# Altium PCB InsaneKeyboard.PcbDoc (part 2 of 4) (continued)
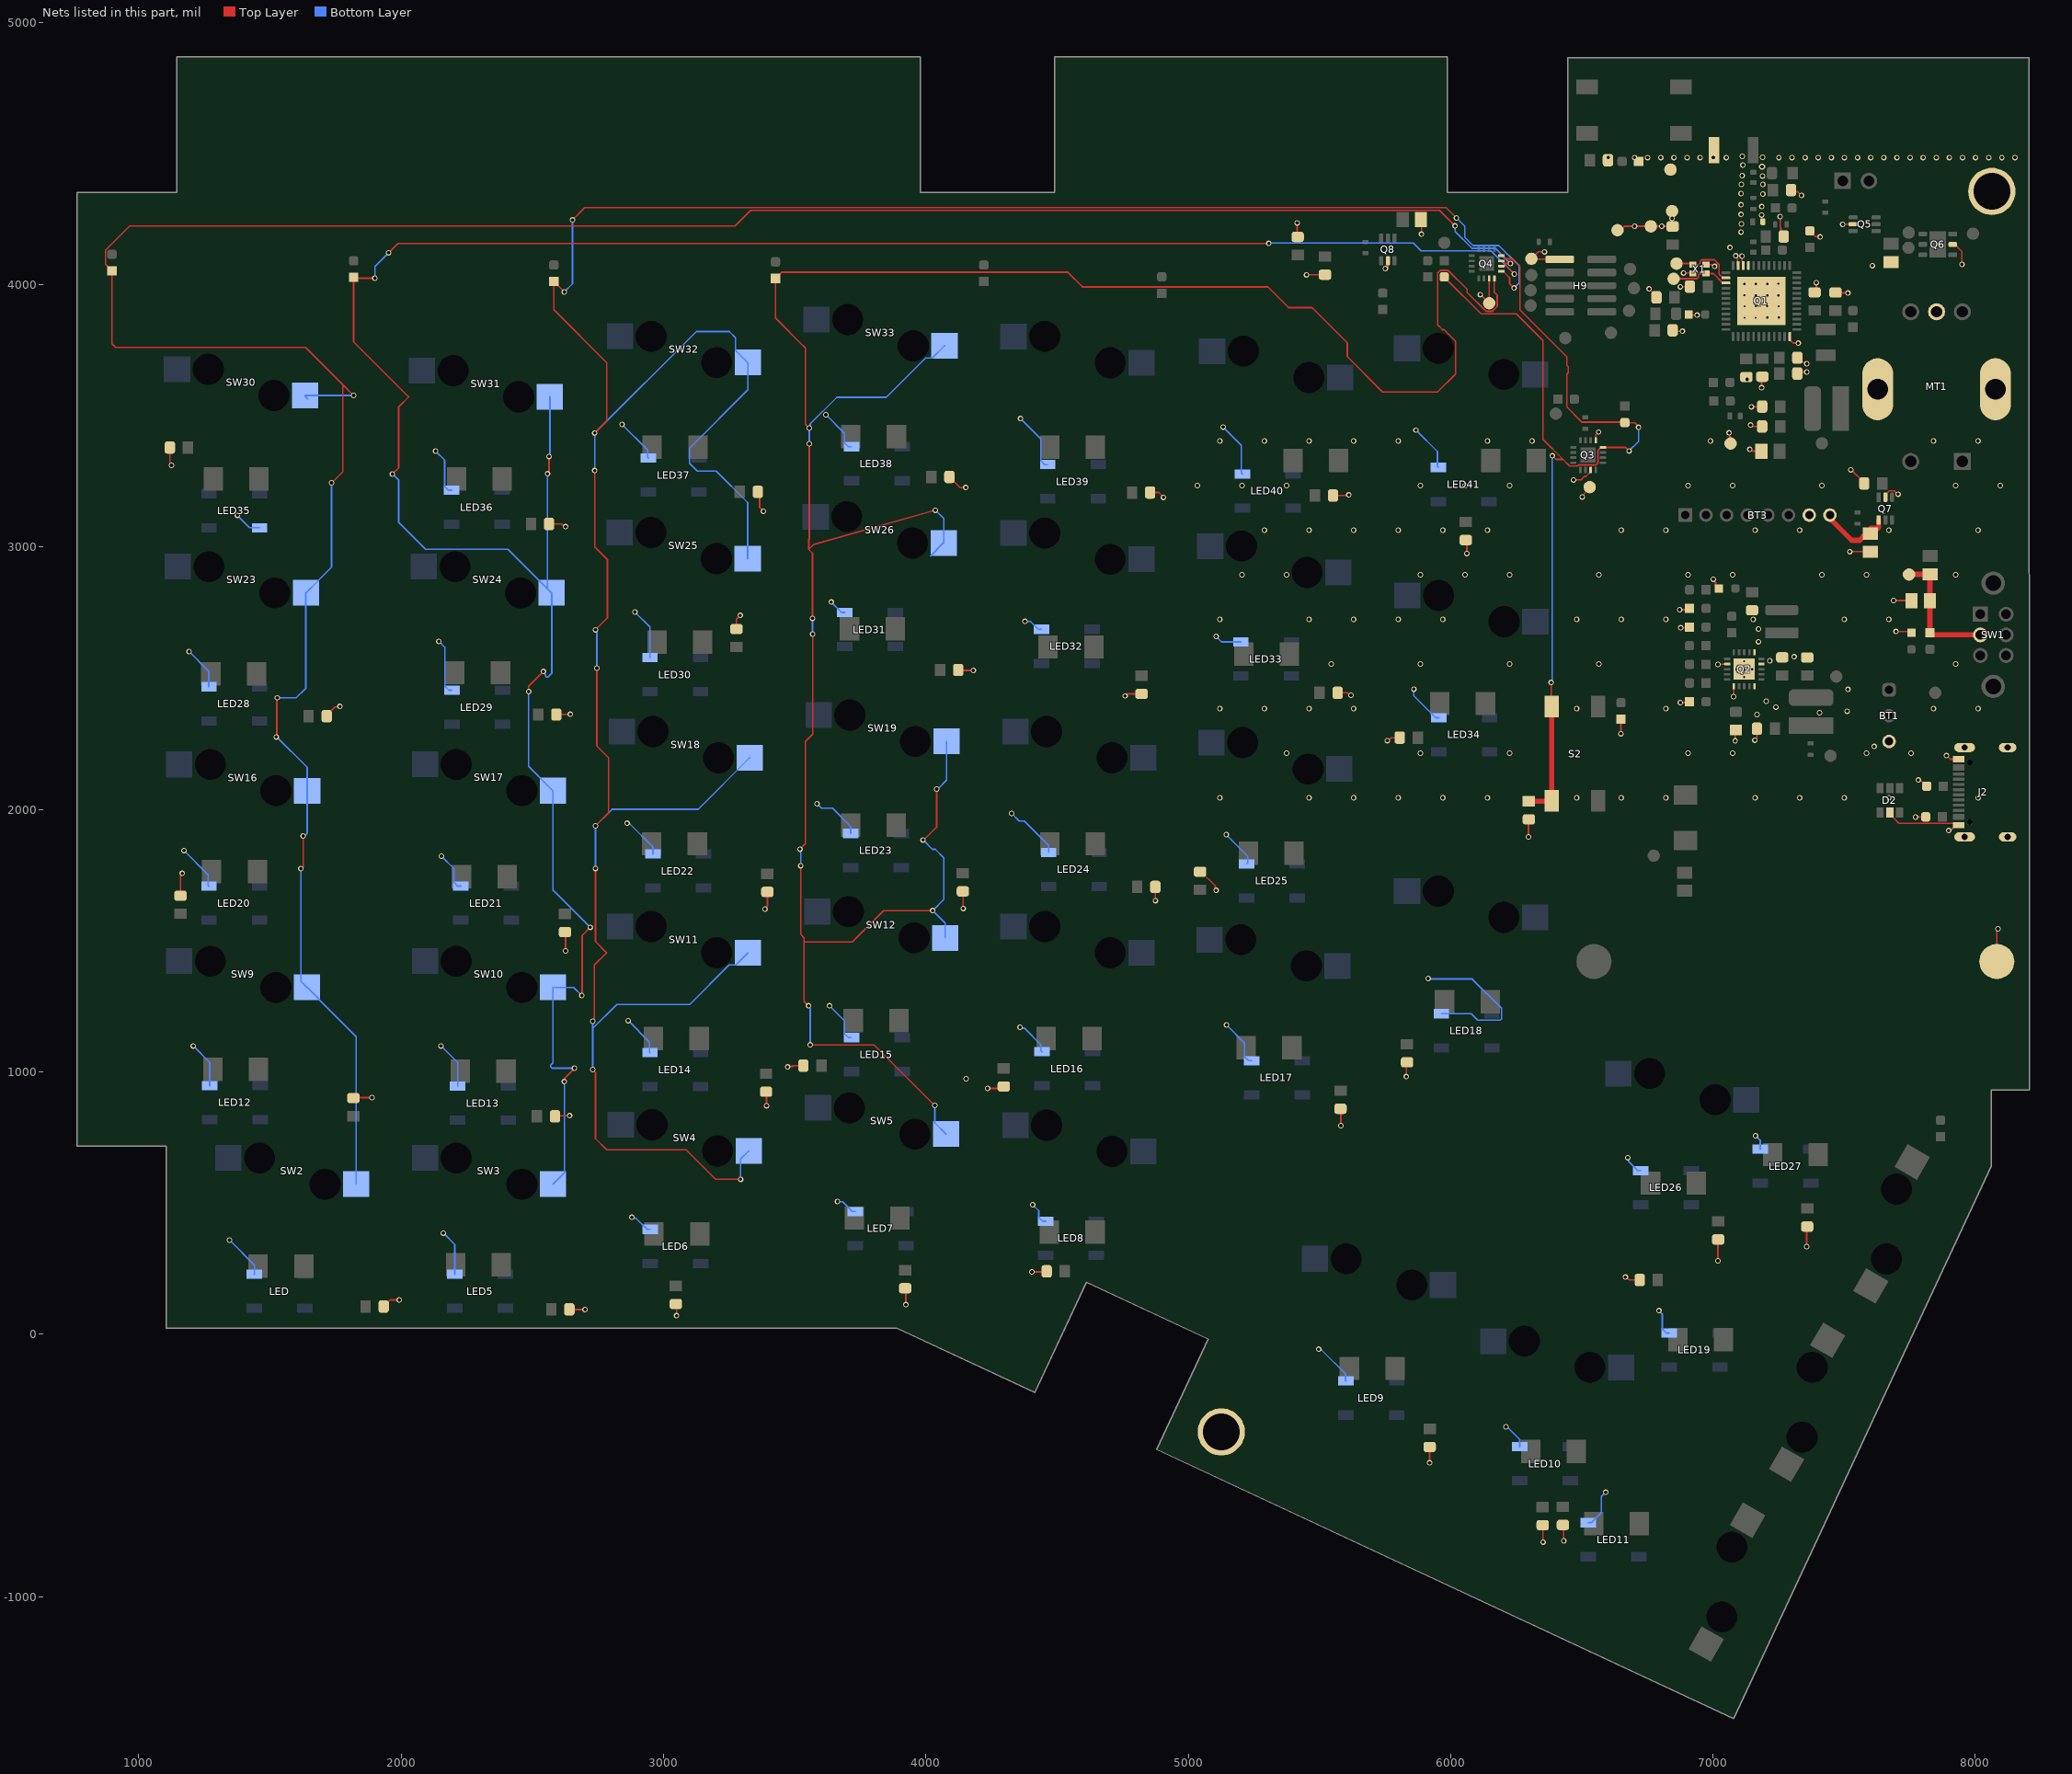
[diagram p4: the nets of this part, all layers, seen from the top]
## Part data (continued)
R15: "Fixed Resistor, Metal Glaze/thick Film, 0.1W, 5620000ohm, 75V, 1% +/-Tol, 100ppm/Cel, Surface Mount, 0603", Case/Package=0603, Manufacturer=Yageo, Manufacturer Part Number=RC0603JR-075M6L, Max Operating Temperature=155°C, Min Operating Temperature=-55°C, Package Height=0.45mm, Package Length=1.6mm, Package Shape=Rectangular, Package Style=SMTMeter, Package Width=0.8mm, Power=100mW, Rated Temperature=70°C, Resistor Type="FIXED RESISTOR", Supplier Part Number=311-5.6MGRCT-ND, Temperature Coefficient=100ppm/°C, Tolerance=5%, Working Voltage=75V, Additional Feature="LASER TRIMMABLE", Category="Chip SMD Resistors", ComponentLink1Description=https://datasheet.ciiva.com:443/pdfs/VipMasterIC/IC/YAGO/YAGO-S-A0008145938/YAGO-S-A0008145938-1.pdf?src-supplier=IHS+Markit, ComponentLink1URL=https://datasheet.ciiva.com:443/pdfs/VipMasterIC/IC/YAGO/YAGO-S-A0008145938/YAGO-S-A0008145938-1.pdf?src-supplier=IHS+Markit, ComponentLink2Description=https://datasheet.ciiva.com/2453/pyu-r-int-thick-7-2453118.pdf?src-supplier=Digikey, ComponentLink2URL=https://datasheet.ciiva.com/2453/pyu-r-int-thick-7-2453118.pdf?src-supplier=Digikey, ComponentLink3Description=https://datasheet.ciiva.com/2453/pyu-r-int-thick-7-2453119.pdf?src-supplier=Digikey, ComponentLink3URL=https://datasheet.ciiva.com/2453/pyu-r-int-thick-7-2453119.pdf?src-supplier=Digikey, ComponentLink4Description=https://datasheet.ciiva.com/2453/pyu-r-int-thick-7-2453120.pdf?src-supplier=Digikey, ComponentLink4URL=https://datasheet.ciiva.com/2453/pyu-r-int-thick-7-2453120.pdf?src-supplier=Digikey, ComponentLink5Description=http://www.mouser.com/ds/2/447/RC0603-272842.pdf?src-supplier=Mouser, ComponentLink5URL=http://www.mouser.com/ds/2/447/RC0603-272842.pdf?src-supplier=Mouser, ComponentLink6Description=http://www.yageo.com/documents/recent/PYu-RC_Group_51_RoHS_L_2.pdf?src-supplier=Avnet, ComponentLink6URL=http://www.yageo.com/documents/recent/PYu-RC_Group_51_RoHS_L_2.pdf?src-supplier=Avnet, ComponentLink7Description=http://www.yageo.com.tw/exep/pages/download/literatures/PYu-R_INT-thick_7.pdf?src-supplier=Digikey, ComponentLink7URL=http://www.yageo.com.tw/exep/pages/download/literatures/PYu-R_INT-thick_7.pdf?src-supplier=Digikey, Construction=Chip, JESD-609 Code=e3, Mounting Technology="Surface Mount", Packaging="Tape and Reel", Pins=2, Pricing="1=0.1, 10=0.015, 50=0.0092, 100=0.0076, 500=0.00512, 1000=0.00437 (USD)", Reach SVHC Compliant=Yes, RoHS=Yes, RoHS Compliant=Yes, Stock=110556, Supplier=Digikey, Technology="METAL GLAZE/THICK FILM", Terminal Finish=Nickel, Termination=Wraparound
R16 R19 R20 R21 R22 R23 R24 R25 R26 R30 R31 R32 R33 R34 R35 R36: "Fixed Resistor, Metal Glaze/thick Film, 0.1W, 10000ohm, 75V, 1% +/-Tol, 100ppm/Cel, Surface Mount, 0603", Case/Package=0603, Manufacturer=Yageo, Manufacturer Part Number=RC0603FR-0710KL, Max Operating Temperature=155°C, Min Operating Temperature=-55°C, Package Height=0.45mm, Package Length=1.6mm, Package Shape=Rectangular, Package Style=SMTMeter, Package Width=0.8mm, Power=100mW, Rated Temperature=70°C, Resistor Type="FIXED RESISTOR", Supplier Part Number=311-10.0KHRCT-ND, Temperature Coefficient=100ppm/°C, Tolerance=1%, Working Voltage=75V, Additional Feature="LASER TRIMMABLE", Category="Chip SMD Resistors", ComponentLink1Description=https://datasheet.ciiva.com:443/pdfs/VipMasterIC/IC/YAGO/YAGO-S-A0008145938/YAGO-S-A0008145938-1.pdf?src-supplier=IHS+Markit, ComponentLink1URL=https://datasheet.ciiva.com:443/pdfs/VipMasterIC/IC/YAGO/YAGO-S-A0008145938/YAGO-S-A0008145938-1.pdf?src-supplier=IHS+Markit, ComponentLink2Description=http://www.farnell.com/datasheets/2167052.pdf?src-supplier=Farnell, ComponentLink2URL=http://www.farnell.com/datasheets/2167052.pdf?src-supplier=Farnell, ComponentLink3Description=http://www.farnell.com/datasheets/1868787.pdf?src-supplier=Farnell, ComponentLink3URL=http://www.farnell.com/datasheets/1868787.pdf?src-supplier=Farnell, ComponentLink4Description=http://www.farnell.com/datasheets/443971.pdf?src-supplier=Farnell, ComponentLink4URL=http://www.farnell.com/datasheets/443971.pdf?src-supplier=Farnell, ComponentLink5Description=http://www.yageo.com/documents/recent/PYu-RC_Group_51_RoHS_L_10.pdf?src-supplier=Digikey, ComponentLink5URL=http://www.yageo.com/documents/recent/PYu-RC_Group_51_RoHS_L_10.pdf?src-supplier=Digikey, ComponentLink6Description=http://www.yageo.com/documents/recent/PYu-RC_Group_51_RoHS_L_9.pdf?src-supplier=Component+Sense, ComponentLink6URL=http://www.yageo.com/documents/recent/PYu-RC_Group_51_RoHS_L_9.pdf?src-supplier=Component+Sense, Construction=Chip, JESD-609 Code=e3, Mounting Technology="Surface Mount", Packaging="Tape and Reel", Pins=2, Pricing="1=0.1, 10=0.019, 50=0.0112, 100=0.0093, 500=0.00622, 1000=0.00532, 5000=0.00382, 10000=0.00335, 25000=0.00287, 35000=0.00278, 50000=0.00257, 125000=0.00232 (USD)", Reach SVHC Compliant=Yes, RoHS=Yes, RoHS Compliant=Yes, Stock=6878448, Supplier=Digikey, Technology="METAL GLAZE/THICK FILM", Terminal Finish=Nickel, Termination=Wraparound
R17: "Fixed Resistor, Metal Glaze/thick Film, 0.1W, 4990000ohm, 75V, 1% +/-Tol, 100ppm/Cel, Surface Mount, 0603", Case/Package=0603, Manufacturer=Yageo, Manufacturer Part Number=RC0603FR-074M99L, Max Operating Temperature=155°C, Min Operating Temperature=-55°C, Package Height=0.45mm, Package Length=1.6mm, Package Shape=Rectangular, Package Style=SMTMeter, Package Width=0.8mm, Power=100mW, Rated Temperature=70°C, Resistor Type="FIXED RESISTOR", Supplier Part Number=13-RC0603FR-074M99LDKR-ND, Temperature Coefficient=100ppm/°C, Tolerance=1%, Working Voltage=75V, Additional Feature="LASER TRIMMABLE", Category="Chip SMD Resistors", ComponentLink1Description=https://datasheet.ciiva.com:443/pdfs/VipMasterIC/IC/YAGO/YAGO-S-A0008145938/YAGO-S-A0008145938-1.pdf?src-supplier=IHS+Markit, ComponentLink1URL=https://datasheet.ciiva.com:443/pdfs/VipMasterIC/IC/YAGO/YAGO-S-A0008145938/YAGO-S-A0008145938-1.pdf?src-supplier=IHS+Markit, ComponentLink2Description=http://www.mouser.com/ds/2/447/RC0603-272842.pdf?src-supplier=Mouser, ComponentLink2URL=http://www.mouser.com/ds/2/447/RC0603-272842.pdf?src-supplier=Mouser, ComponentLink3Description=http://www.yageo.com/documents/recent/PYu-RC_Group_51_RoHS_L_9.pdf?src-supplier=Digikey, ComponentLink3URL=http://www.yageo.com/documents/recent/PYu-RC_Group_51_RoHS_L_9.pdf?src-supplier=Digikey, ComponentLink4Description=http://www.yageo.com/documents/recent/PYu-RC0603_51_RoHS_L_7.pdf?src-supplier=Future+Electronics, ComponentLink4URL=http://www.yageo.com/documents/recent/PYu-RC0603_51_RoHS_L_7.pdf?src-supplier=Future+Electronics, ComponentLink5Description=http://www.yageo.com/documents/recent/PYu-RC_Group_51_RoHS_L_2.pdf?src-supplier=Avnet, ComponentLink5URL=http://www.yageo.com/documents/recent/PYu-RC_Group_51_RoHS_L_2.pdf?src-supplier=Avnet, ComponentLink6Description=https://datasheet.octopart.com/RC0603FR-074M99L-Yageo-datasheet-164759695.pdf?src-supplier=Future+Electronics, ComponentLink6URL=https://datasheet.octopart.com/RC0603FR-074M99L-Yageo-datasheet-164759695.pdf?src-supplier=Future+Electronics, ComponentLink7Description=https://datasheet.octopart.com/RC0603FR-074M99L-Yageo-datasheet-148775077.pdf?src-supplier=TME, ComponentLink7URL=https://datasheet.octopart.com/RC0603FR-074M99L-Yageo-datasheet-148775077.pdf?src-supplier=TME, Construction=Chip, JESD-609 Code=e3, Mounting Technology="Surface Mount", Packaging="Tape and Reel", Pins=2, Pricing="1=0.1, 10=0.019, 50=0.0112, 100=0.0093, 500=0.00622, 1000=0.00532 (USD)", Reach SVHC Compliant=Yes, RoHS=Yes, RoHS Compliant=Yes, Stock=585, Supplier=Digikey, Technology="METAL GLAZE/THICK FILM", Terminal Finish=Nickel, Termination=Wraparound
S1 S2: "Keypad Switch, 1 Switches, SPST, Momentary-tactile, 0.05A, 50VDC, 2.55N, Solder Terminal, Surface Mount-straight", Contact Current(DC)-Max=50mA, Contact DC Max Rating R Load=.05A@50VDC, Contact Voltage(DC)-Max=50V, Manufacturer=E-Switch, Manufacturer Part Number=TL3301NF260QG, Operating Force-Max=3.04N, Supplier Part Number=EG1868CT-ND, Body Breadth=6inch, Body Height=3.6mm, Body Length or Diameter=6mm, Category="Tactile Switches", Circuit Configuration=1X1, ComponentLink1Description=https://datasheet.ciiva.com:443/pdfs/VipMasterIC/IC/ESCH/ESCH-S-A0005350531/ESCH-S-A0005350531-1.pdf?src-supplier=IHS+Markit, ComponentLink1URL=https://datasheet.ciiva.com:443/pdfs/VipMasterIC/IC/ESCH/ESCH-S-A0005350531/ESCH-S-A0005350531-1.pdf?src-supplier=IHS+Markit, ComponentLink2Description=https://datasheet.ciiva.com/2901/p010517e-2901296.pdf?src-supplier=Digikey, ComponentLink2URL=https://datasheet.ciiva.com/2901/p010517e-2901296.pdf?src-supplier=Digikey, ComponentLink3Description=https://datasheet.ciiva.com/2901/tl3301-2901294.pdf?src-supplier=Digikey, ComponentLink3URL=https://datasheet.ciiva.com/2901/tl3301-2901294.pdf?src-supplier=Digikey, ComponentLink4Description=https://datasheet.ciiva.com/2901/tl3301-2901295.pdf?src-supplier=Digikey, ComponentLink4URL=https://datasheet.ciiva.com/2901/tl3301-2901295.pdf?src-supplier=Digikey, ComponentLink5Description=https://datasheet.ciiva.com/7637/tl3301-7637661.pdf?src-supplier=Element14, ComponentLink5URL=https://datasheet.ciiva.com/7637/tl3301-7637661.pdf?src-supplier=Element14, JESD-609 Code=e4, Mounting Technology="Surface Mount", Number of Switches=1, Packaging="Tape and Reel", Pricing="1=0.42, 10=0.404, 25=0.3804, 100=0.3303, 250=0.29968, 500=0.27876 (USD)", Reach SVHC Compliant=Yes, RoHS=Yes, RoHS Compliant=Yes, Stock=45667, Supplier=Digikey, Switch Action=MOMENTARY-TACTILE, Switch Function=SPST, Switch Type=Keypad, Terminal Finish=Silver, Termination=Solder
SW1: "Slide Switch, DPDT, Latched, Solder Terminal, Through Hole-right Angle", Manufacturer=E-Switch, Manufacturer Part Number=EG2208, Max Operating Temperature=70°C, Min Operating Temperature=-20°C, Supplier Part Number=EG1941-ND, Body Breadth=6inch, Body Height=5mm, Body Length or Diameter=10mm, Category="Slide Switches", ComponentLink1Description=https://datasheet.ciiva.com:443/pdfs/VipMasterIC/IC/ESCH/ESCH-S-A0005350660/ESCH-S-A0005350660-1.pdf?src-supplier=IHS+Markit, ComponentLink1URL=https://datasheet.ciiva.com:443/pdfs/VipMasterIC/IC/ESCH/ESCH-S-A0005350660/ESCH-S-A0005350660-1.pdf?src-supplier=IHS+Markit, ComponentLink2Description=https://datasheet.ciiva.com/2889/p040110c-2889382.pdf?src-supplier=Digikey, ComponentLink2URL=https://datasheet.ciiva.com/2889/p040110c-2889382.pdf?src-supplier=Digikey, ComponentLink3Description=https://datasheet.ciiva.com/16174/seriesegslides-16174287.pdf?src-supplier=Onlinecomponents.com, ComponentLink3URL=https://datasheet.ciiva.com/16174/seriesegslides-16174287.pdf?src-supplier=Onlinecomponents.com, ComponentLink4Description=https://datasheet.ciiva.com/16216/eg-16216332.pdf?src-supplier=Future+Electronics, ComponentLink4URL=https://datasheet.ciiva.com/16216/eg-16216332.pdf?src-supplier=Future+Electronics, JESD-609 Code=e4, Mounting Technology="Through Hole", Pricing="1=0.66, 10=0.639, 25=0.5968, 100=0.5183, 250=0.47168, 800=0.43728, 1600=0.4325 (USD)", Reach SVHC Compliant=Yes, RoHS=Yes, RoHS Compliant=Yes, Stock=171516, Supplier=Digikey, Switch Action=LATCHED, Switch Function=DPDT, Switch Type="Slide Switch", Terminal Finish=Silver, Termination=Solder
SW2 SW3 SW4 SW5 SW6 SW7 SW8 SW9 SW10 SW11 SW12 SW13 SW14 SW15 SW16 SW17 SW18 SW19 SW20 SW21 SW22 SW23 SW24 SW25 SW26 SW27 SW28 SW29 SW30 SW31 SW32 SW33 SW34 SW35 SW36 SW37 SW38 SW39: "Gateron G Pro 2.0, The 3-Pin switches are compatible with any 3-Pin/5-Pin MX mechanical keyboard"
TP15: "Test points"
X1: "Crystal 38.4000MHZ 10PF SMD", Manufacturer=Murata, Manufacturer Part Number=XRCGB38M400F1S3JR0, Supplier Part Number=490-XRCGB38M400F1S3JR0TR-ND, Category=LDO, ComponentLink1Description=https://datasheet.octopart.com/TZ2205E-TST---Tamsan-datasheet-98782093.pdf?src-supplier=Component+Distributors+Inc., ComponentLink1URL=https://datasheet.octopart.com/TZ2205E-TST---Tamsan-datasheet-98782093.pdf?src-supplier=Component+Distributors+Inc., ComponentLink2Description=http://www.txccorp.com/download/products/quartz_crystals/2015TXC_8Y_15.pdf?src-supplier=Digikey, ComponentLink2URL=http://www.txccorp.com/download/products/quartz_crystals/2015TXC_8Y_15.pdf?src-supplier=Digikey, Pricing="1=1.13, 10=1.004, 50=0.938, 100=0.829, 500=0.78538, 1000=0.65448 (USD)", RoHS=No, Stock=604, Supplier=Digikey
X2: library part "XTAL 32.768kHz", "Parallel - Fundamental Quartz Crystal, 0.032768MHz Nom", Frequency Tolerance=20ppm, Load Capacitance=12.5pF, Manufacturer=Abracon, Manufacturer Part Number=ABS07-32.768KHZ-T, Max Operating Temperature=85°C, Min Operating Temperature=-40°C, Operating Frequency-Nom=0.032768, Supplier Part Number=815-ABS07-32.768KHZT, Additional Feature="TAPE AND REEL", Aging="3 PPM/FIRST YEAR", Category=Crystals, ComponentLink1Description=https://datasheet.ciiva.com:443/pdfs/VipMasterIC/IC/ABRC/ABRC-S-A0006623177/ABRC-S-A0006623177-1.pdf?src-supplier=IHS+Markit, ComponentLink1URL=https://datasheet.ciiva.com:443/pdfs/VipMasterIC/IC/ABRC/ABRC-S-A0006623177/ABRC-S-A0006623177-1.pdf?src-supplier=IHS+Markit, ComponentLink2Description=https://datasheet.ciiva.com/854/abs07-854935.pdf?src-supplier=Digikey, ComponentLink2URL=https://datasheet.ciiva.com/854/abs07-854935.pdf?src-supplier=Digikey, ComponentLink3Description=https://datasheet.ciiva.com/854/abs07-854936.pdf?src-supplier=Digikey, ComponentLink3URL=https://datasheet.ciiva.com/854/abs07-854936.pdf?src-supplier=Digikey, ComponentLink4Description=https://datasheet.ciiva.com/854/abs07-854937.pdf?src-supplier=Digikey, ComponentLink4URL=https://datasheet.ciiva.com/854/abs07-854937.pdf?src-supplier=Digikey, ComponentLink5Description=https://datasheet.ciiva.com/15214/getdatasheetpartid-727011-15214954.pdf?src-supplier=Verical, ComponentLink5URL=https://datasheet.ciiva.com/15214/getdatasheetpartid-727011-15214954.pdf?src-supplier=Verical, ComponentLink6Description=https://datasheet.ciiva.com/7998/1912628-7998667.pdf?src-supplier=Element14, ComponentLink6URL=https://datasheet.ciiva.com/7998/1912628-7998667.pdf?src-supplier=Element14, Crystal/Resonator Type="PARALLEL - FUNDAMENTAL", Drive Level=0.5uW, ESR=70kR, Mounting Technology="Surface Mount", Pricing="1=0.64, 10=0.502, 50=0.502, 100=0.463, 500=0.438, 1000=0.419, 3000=0.308, 6000=0.281, 9000=0.269, 10000=0.269, 24000=0.258 (USD)", Reach SVHC Compliant=Yes, RoHS=Yes, RoHS Compliant=Yes, Stock=349794, Supplier=Mouser

## Via types
v1: diameter 21, hole 13, Top Layer to Bottom Layer, tented both sides, 274 vias
v2: diameter 21, hole 13, Top Layer to Bottom Layer, 266 vias
v3: diameter 23, hole 13, Top Layer to Bottom Layer, tented both sides, 1 vias

## Nets (pads, with @x,y where several pads share a name; then routed paths per layer and width w, separated by ;. In a path a pad name is that pad's centre, name@x,y a point inside that pad or via, vN(x,y) a via of type N, cw(c..) or ccw(c..) an arc to the next point about the centre after c; other vN are vias at no path point)
+3.3V: C22.1 C24.1 R8.1 SW1.2 TP20.1 | length 499.1
  Top Layer w20: TP20.1@7747,2896 7747.35,2896.35 C24.1@7826.65,2896.35 ; SW1.2@8018.79,2666 8018.64,2665.85 7835.14,2665.85 7826.29,2674.7 7826.65,2675.05 7826.65,2795.65 C22.1@7826.29,2796 7826.65,2796.35 C24.1@7826.65,2896.35 ; C24.1@7826.65,2896.35 C24.1@7827,2896.71 C24.1@7826.65,2896.35
DISPLAY_LOAD_SW: BT3.8 C70.1 Q7.6 | length 299.6
  Top Layer w20: BT3.8@7445.59,3122.35 7451.62,3116.32 7451.62,3103.21 7528.7,3026.13 7559.3,3026.13 7571.45,3038.27 7571.45,3040.23 C70.1@7599,3067.78 ; C70.1@7599,3051.65 C70.1@7599,3067.78 ; Q7.6@7631.41,3103.69 7631.41,3075 7627.89,3071.48 7602.7,3071.48 C70.1@7599,3067.78
GND: ATT1.GND BT1.3 BT2.N BT3.7 C1.2 C2.2 C3.2 C4.2 C5.2 C6.2 C7.2 C8.2 C9.2 C10.2 C11.2 C12.2 C13.2 C14.2 C15.2 C16.2 C17.2 C18.1 C19.2 C20.2 C21.2 C22.2 C25.2 C26.2 C27.2 C28.2 C29.2 C30.2 C31.2 C32.2 C33.2 C34.2 C35.2 C36.2 C37.2 C38.2 C39.2 C40.2 C41.2 C42.2 C43.2 C44.2 C45.2 C46.2 C47.2 C48.2 C49.2 C50.2 C51.2 C52.2 C53.2 C54.2 C55.2 C56.2 C57.2 C58.2 C59.2 C60.2 C61.2 C62.2 C63.2 C64.2 C65.2 C66.2 C67.2 C68.2 C69.2 C70.2 D2.2 H1.1 H2.1 H9.2 J2.A1_B12 J2.B1_A12 J2.S1 J2.S2 J2.S3 J2.S4 LED1.C LED2.C LED4.C LED5.3-GND LED6.3-GND LED7.3-GND LED8.3-GND LED9.3-GND LED10.3-GND LED11.3-GND LED12.3-GND LED13.3-GND LED14.3-GND LED15.3-GND LED16.3-GND LED17.3-GND LED18.3-GND LED19.3-GND LED20.3-GND LED21.3-GND LED22.3-GND LED23.3-GND LED24.3-GND LED25.3-GND LED26.3-GND LED27.3-GND LED28.3-GND LED29.3-GND LED30.3-GND LED31.3-GND LED32.3-GND LED33.3-GND LED34.3-GND LED35.3-GND LED36.3-GND LED37.3-GND LED38.3-GND LED39.3-GND LED40.3-GND LED41.3-GND LED.3-GND MT1.COM MT1.S1 MT1.S2 Q1.14 Q1.15 Q1.16 Q1.37 Q1.49 Q2.1 Q2.5 Q2.9 Q2.15 Q2.17 Q2.21 Q3.6 Q3.16 Q4.6 Q5.2 Q6.2 Q7.2 Q8.2 R3.2 R6.1 R7.1 R9.2 R10.2 R15.1 R17.1 R38.1 TP1.1 TP22.1 TP25.1 TP28.1 TP29.1 TP30.1 TP31.1 TP32.1 X1.2 X1.4 | length 12423.4
  Top Layer w6: C32.2@1118.55,3380 1118.55,3322.51 1125,3316.06 v1(1125,3312) ; C47.2@1159,1671.9 1159,1745.94 1166,1752.94 v1(1166,1757) ; C31.2@1716.45,2356 1716.45,2359.94 1747.5,2390.99 1764.99,2390.99 v1(1767,2393) ; C60.2@1818,900.45 1819.55,902 v1(1889,902) ; C59.2@1933.45,106 1933.45,106.23 1949.61,122.4 1949.85,122.4 1958.45,131 v1(1993,131) ; C33.2@2564.13,3088.5 2612.44,3088.5 2622.94,3078 v1(2627,3078) ; C62.2@2586.45,831 2588.45,833 v1(2642,833) ; C46.2@2591.45,2362 2592.45,2363 v1(2645,2363) ; C48.2@2624.49,1533.33 2627,1530.82 v1(2627,1461) ; C63.2@2641.45,95 2642.45,94 v1(2701,94) ; C64.2@3047,115.55 3050,112.55 v1(3050,71) ; C45.2@3278,2688.45 3278,2726 v1(3292,2740) ; C34.2@3359.45,3211 3366.29,3204.16 3366.29,3151.71 v1(3381,3137) ; v1(3387,1621) 3387,1625.06 3396,1634.06 C49.2@3396,1686.1 ; C65.2@3391,924.55 3393,922.55 v1(3393,871) ; v1(3472.5,1019) 3474.5,1021 3492,1021 3495,1024 C58.2@3533,1024 ; C66.2@3921,175.55 3924,172.55 v1(3924,113) ; C35.2@4089.69,3267.78 4089.69,3267.55 4105.85,3251.39 4106.08,3251.39 4130.47,3227 v1(4152,3227) ; C44.2@4123.45,2532 4125.45,2530 v1(4181,2530) ; C50.2@4141,1688.1 4142,1687.1 v1(4142,1623) ; v1(4235,937) 4235.35,937.35 4289.8,937.35 C52.2@4297,944.55 ; v1(4404,238) 4458.55,238 C67.2@4460.55,240 ; v1(4759,2433) 4759,2437.06 4762.51,2440.57 4762.51,2441.1 C43.2@4822,2441.1 ; C36.2@4854.62,3208.48 4887.52,3208.48 v1(4906,3190) ; C39.2@4874.45,1705 4875,1704.45 v1(4875,1653) ; C40.2@5045,1762.9 5048.94,1762.9 5103.13,1708.7 5103.13,1694.87 v1(5106,1692) ; v1(5415,4236) 5415,4184.45 C26.2@5417,4182.45 ; v2(5451,4038) 5520.45,4038 C29.2@5521,4038.55 ; C37.2@5551.45,3197 5610,3197 v1(5612,3199) ; C42.2@5569.45,2445 5606.94,2445 5615.94,2436 v1(5620,2436) ; C53.2@5580,859.55 5582,857.55 v1(5582,795) ; v1(5751,4062) 5751.06,4062.06 5761,4062.06 Q8.2@5761,4091.69 ; v1(5759,2263) 5763.06,2263 5774.06,2274 C41.2@5806,2274 ; v1(5831,982) 5831,1034 C54.2@5834,1037 ; C30.2@5886.65,4248 5889,4245.65 v2(5889,4193) ; v1(5920,-490) C57.2@5920,-429.45 ; C38.2@6058,3027.1 6062,3023.1 v1(6062,2976) ; v1@6114,3962.5 6146.5,3930 TP29.1@6147,3930 6147,3982.33 6146.92,3982.41 6146.92,4024.42 Q4.6@6146.84,4024.5 ; v1(6297,1896) 6297,1961.55 C27.2@6298,1962.55 ; C68.2@6351,-727.45 6352,-728.45 v1(6352,-792) ; v1(6357.5,4125.5) 6334.5,4125.5 6309,4100 6311,4098 6415,4098 H9.2@6416,4097 ; C61.2@6428,-726.45 6431,-729.45 v1(6431,-787) ; v1@6469,3257 6469.5,3256.5 6496.99,3256.5 6510.11,3269.62 6515.65,3269.62 6533.84,3287.81 Q3.6@6533.84,3294.5 ; v1@6501.97,3191.97 6501.97,3196.03 6530,3224.06 TP32.1@6530,3229 ; Q3.16@6553.53,3407.5 6553.53,3428.31 6564,3438.78 v1(6564,3439) ; TP25.1@6636,4208 6647.16,4208 6662.16,4223 TP31.1@6763,4223 v1(6804.22,4223) C7.2@6845.45,4223 ; v1(6649,2289) R38.1@6649,2344.01 ; v1(6666,218) 6670.06,218 6681.06,207 C55.2@6720.55,207 ; v1@6757,3984.74 6757,3983.62 6784.55,3956.06 C3.2@6784.55,3952 ; TP1.1@6844,4281 6844,4224.45 C7.2@6845.45,4223 ; C7.2@6846,4222.45 C7.2@6845.45,4223 ; C6.2@6846.45,3827 6850.51,3822.94 v1(6883.45,3822.94) ; v1@6873,2762 6873.5,2761.5 6905.36,2761.5 R7.1@6910.61,2766.74 ; v1@6876,2408 6876.5,2407.5 6907.19,2407.5 R15.1@6910.61,2410.91 ; v1@6876,3993 6876.5,3992.5 6911.05,3992.5 C2.2@6911.55,3993 ; v1@6877,2693 6877.5,2692.5 6907.53,2692.5 R17.1@6910.61,2695.58 ; v1(6888,4045) 6920.9,4045 X1.4@6922.9,4043 ; LED2.C@6907.5,3887 6910,3884.5 v1(6939.5,3884.5) ; X1.2@6973.1,4077 6995.56,4077 7002.56,4070 v1(7006,4070) ; v1(7001,2878) 7001,2873.94 7009.76,2865.19 7009.76,2855.75 LED4.C@7022.5,2843 ; v1(7019,280) 7019,360.55 C51.2@7020,361.55 ; v1(7019,2553) 7019.84,2553.84 7053.2,2553.84 Q2.9@7054.04,2554.68 ; v1@7062,3436 7064.25,3433.75 7064.25,3397.75 TP30.1@7067,3395 ; v1@7079,2431 7079.63,2431.63 Q2.5@7079.63,2470.04 ; v1@7085,2262 7084.5,2262.5 7084.5,2300.86 C18.1@7087.1,2303.46 ; v1@7087,4111 7087,4105.94 7093.67,4099.27 7093.67,4075.32 Q1.14@7095.65,4073.34 ; v1@7111,4110 7111,4089.49 Q1.15@7115.34,4085.15 ; Q1.49@7119.24,3960.1 7119.74,3959.6 7119.74,3918.6 Q1.49@7120.24,3918.1 Q1.49@7163.24,3918.1 ; C12.2@7127,3648.55 7130.5,3645.05 v1(7130.5,3639.37) ; v1@7141,3373 7144.06,3373 7151.06,3366 C25.2@7184.35,3366 ; v1@7142,3466 7147.09,3466 7153.09,3460 C21.2@7187.55,3460 ; v1(7146.02,3535.1) 7186.65,3535.1 C20.2@7187.55,3536 ; v1@7160,2265 7160,2267.79 7167.65,2275.44 C17.2@7167.65,2307.91 ; Q1.49@7162.24,3874.1 Q1.49@7162.74,3874.6 ; Q1.49@7163.24,3959.1 Q1.49@7163.24,3918.1 ; v1@7186,3608 7185.5,3608.5 7185.5,3647.05 C9.2@7188,3649.55 ; Q1.49@7207.24,3959.1 7206.74,3958.6 7206.74,3919.6 Q1.49@7206.24,3919.1 Q1.49@7206.74,3918.6 ; Q1.49@7249.24,3959.1 7249.74,3958.6 Q1.49@7249.74,3918.6 ; Q1.49@7251.24,3875.1 7250.74,3875.6 7250.74,3917.6 Q1.49@7249.74,3918.6 ; v1(7256,4260) 7256,4219.62 7259,4216.62 7259,4194.68 C5.2@7269.69,4184 ; Q1.37@7292.5,3802.87 7292.5,3791.05 7305.41,3778.14 v1@7325.27,3778.14 ; C4.2@7297.45,4361 7303.68,4354.77 7323.23,4354.77 v1(7337,4341) ; C8.2@7321.45,3662 7326.95,3667.5 v1(7357.5,3667.5) ; C13.2@7321.45,3722 7321.45,3721.77 7337.61,3705.6 7347.34,3705.6 7351.99,3700.95 v1@7357.05,3700.95 ; v1(7357,334) 7357,408.55 C56.2@7359,410.55 ; R3.2@7369,4205.5 7390.49,4184.01 7407.99,4184.01 v1@7409,4183 ; C11.2@7387,3971 7393.5,3977.5 v1(7393.5,4008.5) ; C10.2@7467,3970.45 7468.68,3968.77 v1(7514.09,3968.77) ; v1@7495,4231 7495.25,4230.75 7534.44,4230.75 Q5.2@7534.69,4231 ; v1(7521,2983) 7598.35,2983 C70.2@7599,2982.35 ; v1(7525,3295) 7526.74,3295 7576.55,3245.19 C69.2@7576.55,3243 ; Q7.2@7657,3190.31 7657,3200.15 7671.87,3215.02 7691.06,3215.02 7700,3206.08 v1@7700,3202 ; D2.2@7674.01,1988.39 7684.79,1977.61 7684.79,1971.65 7708.99,1947.44 7918.1,1947.44 7925.37,1940.17 7916.56,1931.36 7908,1922.81 7900.81,1922.81 v1(7897.93,1919.94) ; v1@7689,2797 7689.5,2796.5 7756.5,2796.5 C22.2@7757,2796 ; v1@7698,2679 7698.5,2678.5 7751,2678.5 LED1.C@7756,2673.5 ; v1@7772,1972 7772.13,1971.87 7810.22,1971.87 R10.2@7810.51,1972.16 ; v1@7783,2113 7786.37,2109.63 7792.01,2109.63 7812.48,2089.16 R9.2@7814.51,2089.16 ; v1@7890,2205.86 7903.72,2192.14 J2.A1_B12@7936,2192.14 ; Q6.2@7914.09,4154 7921.96,4154 7949,4126.96 v1(7949,4078) ; BT2.N@8081.72,1421 8081.72,1536.66 8086,1540.94 v1(8086,1545) ; Q1.49@7162.74,3874.6 7206.74,3874.6 Q1.49@7207.24,3875.1 7206.74,3875.6 Q1.49@7206.74,3918.6 ; Q1.49@7162.74,3874.6 7162.74,3917.6 Q1.49@7163.24,3918.1 ; Q1.49@7206.74,3918.6 Q1.49@7249.74,3918.6
  Bottom Layer w6: v1(1172,1844) 1264.54,1751.46 1264.54,1710.96 LED20.3-GND@1267.54,1707.96 ; v1(1192,2602) 1266.54,2527.46 1266.54,2468.96 LED28.3-GND@1267.54,2467.96 ; v1(1208,1099) 1270.54,1036.46 LED12.3-GND@1270.54,947.96 ; v1(1346,359) 1441.54,263.46 1441.54,229.96 LED.3-GND@1440.54,228.96 ; v1@1376,3125.39 1376,3119.97 1421.93,3074.04 LED35.3-GND@1460.46,3074.04 ; v1(2131.69,3366) 2166.02,3331.68 2166.02,3231.68 2180.73,3216.96 LED36.3-GND@2192.54,3216.96 ; v1(2144,2641) 2167.02,2617.98 2167.02,2469.68 2181.73,2454.96 LED29.3-GND@2193.54,2454.96 ; v1(2152,1099) 2215.54,1035.46 LED13.3-GND@2215.54,945.96 ; v1(2153.98,1821.98) 2201.02,1774.94 2201.02,1722.68 2215.73,1707.96 LED21.3-GND@2227.54,1707.96 ; v1(2161,386) 2204.54,342.46 LED5.3-GND@2204.54,228.96 ; v1(2842,3468) 2939.54,3370.46 2939.54,3342.96 LED37.3-GND@2942.54,3339.96 ; v1(2861,1948) 2863.87,1945.13 2872.09,1945.13 2959.54,1857.68 LED22.3-GND@2959.54,1830.96 ; v1(2865.48,1195.48) 2947.06,1113.9 2947.06,1075.44 LED14.3-GND@2948.54,1073.96 ; v1(2879,446) 2881.87,443.13 2894.56,443.13 2937.73,399.96 LED6.3-GND@2949.54,399.96 ; v1(2891,2752.85) 2948.54,2695.3 LED30.3-GND@2948.54,2578.96 ; v1(3585,2022) 3602.04,2004.96 3644.26,2004.96 3713.54,1935.68 LED23.3-GND@3713.54,1908.96 ; v1(3619,3505) 3690.02,3433.98 3690.02,3397.68 3704.73,3382.96 LED38.3-GND@3716.54,3382.96 ; v1(3633,1252) 3690.02,1194.98 3690.02,1145.68 3704.73,1130.96 LED15.3-GND@3716.54,1130.96 ; v1(3639,2790.69) 3678.73,2750.96 LED31.3-GND@3690.54,2750.96 ; v1(3663,506) 3663.81,505.19 3682.5,505.19 3719.73,467.96 LED7.3-GND@3731.54,467.96 ; v1(4327,1985) 4355.77,1956.23 4375.41,1956.23 4468,1863.64 LED24.3-GND@4468,1836.92 ; v1(4359,1170) 4361.87,1167.13 4375.09,1167.13 4438.54,1103.68 4438.54,1080.96 LED16.3-GND@4442.54,1076.96 ; v1(4361,3490) 4438.02,3412.98 4438.02,3329.68 4452.73,3314.96 LED39.3-GND@4464.54,3314.96 ; v1(4378,2717) 4398.69,2717 4428.73,2686.96 LED32.3-GND@4440.54,2686.96 ; v1(4407,494) 4430.02,470.98 4430.02,445.68 4444.73,430.96 LED8.3-GND@4456.54,430.96 ; v1(5106,2660) 5127.04,2638.96 LED33.3-GND@5200.54,2638.96 ; v1(5132.69,3458) 5202.54,3388.15 5202.54,3282.96 LED40.3-GND@5206.54,3278.96 ; v1(5144.52,1904.48) 5226.54,1822.46 5226.54,1796.96 LED25.3-GND@5222.54,1792.96 ; v1(5146,1179) 5215.02,1109.98 5215.02,1057.68 5229.73,1042.96 LED17.3-GND@5241.54,1042.96 ; v1(5497,-57) 5499.87,-59.87 5508.09,-59.87 5599.54,-151.32 5599.54,-176.04 LED9.3-GND@5601.54,-178.04 ; v1(5859.96,2458.96) 5859.96,2433.73 5943.73,2349.96 LED34.3-GND@5955.54,2349.96 ; v1(5868,3446) 5949.54,3364.46 5949.54,3307.96 LED41.3-GND@5953.54,3303.96 ; v1(5913.89,1355.85) 5915.75,1354 6082.56,1354 6193.98,1242.58 6193.98,1201.34 6189.88,1197.24 6102.84,1197.24 6078.12,1221.96 LED18.3-GND@5964.54,1221.96 ; v1(6211,-353) 6213.87,-355.87 6218.09,-355.87 6263.54,-401.32 LED10.3-GND@6263.54,-428.04 ; LED11.3-GND@6524.54,-718.04 6536.35,-718.04 6574.57,-679.82 6574.57,-618.43 v1(6591,-602) ; v1(6675,673) 6677.87,670.13 6677.87,658.82 6712.73,623.96 LED26.3-GND@6724.54,623.96 ; v1(6794,90) 6794,88.45 6807.02,75.44 6807.02,19.68 6821.73,4.96 LED19.3-GND@6833.54,4.96 ; v1(7162,757) 7180.34,738.66 LED27.3-GND@7180.34,705.72
  other v1: 4153,974 7771.58,1971.58 7782.5,2112.5 7889.5,2205.5 7613.92,2240.31 7084.5,2261.5 7159.5,2264.5 7168,2362 7406,2369 7511.11,2374.94 7239.75,2390.6 6875.5,2407.5 7203,2413 7078.58,2430.58 7514,2458 7216,2567 7309,2582 7173.47,2639.52 7697.5,2678.5 7173.47,2688.06 6876.5,2692.5 7153,2725 6872.5,2761.5 7688.5,2796.5 1376,3121.7 6501.47,3191.47 7705,3202 6468.5,3256.5 7140.5,3372.5 7061.5,3435.5 7143.53,3465.5 7185.5,3607.5 7357.53,3699.47 7324.91,3777.5 6113.5,3962.5 6756.5,3984.24 6875.5,3992.5 7110.5,4109.5 7086.5,4110.5 7065,4142 7408.5,4182.5 7107,4201 6701,4223 7494.5,4230.5 7108,4232 6844,4252.72 7185,4266 7107,4268 7186,4298 7107,4305 7190,4346 7107,4348 7108,4383 7190,4383 7189,4415 7111,4416 7114,4456 6601,4485 6701,4485 6751,4485 6801,4485 6851,4485 6901,4485 6951,4485 7001,4485 7051,4485 7251,4485 7301,4485 7351,4485 7401,4485 7451,4485 7501,4485 7551,4485 7601,4485 7651,4485 7701,4485 7751,4485 7801,4485 7851,4485 7901,4485 7951,4485 8001,4485 8051,4485 8101,4485 8151,4485 7189,4486 7112,4490
  other v2: 5120,2045 5460,2045 5630,2045 5800,2045 5970,2045 6140,2045 6480,2045 6650,2045 6820,2045 7160,2045 7330,2045 7500,2045 7670,2045 8010,2045 5375,2215 5885,2215 6225,2215 6905,2215 7075,2215 7585,2215 7755,2215 5120,2385 5290,2385 5460,2385 5630,2385 6480,2385 6820,2385 7840,2385 8010,2385 5545,2555 5885,2555 6225,2555 6565,2555 7925,2555 5120,2725 5460,2725 5630,2725 5800,2725 5970,2725 6480,2725 6650,2725 6820,2725 7500,2725 7670,2725 5205,2895 5375,2895 5885,2895 6055,2895 6225,2895 6565,2895 6905,2895 7075,2895 7415,2895 7585,2895 7925,2895 5290,3065 5460,3065 5630,3065 5800,3065 5970,3065 6140,3065 6650,3065 6820,3065 7160,3065 7330,3065 7670,3065 8010,3065 5035,3235 5205,3235 5375,3235 5885,3235 6055,3235 6225,3235 6905,3235 7075,3235 7415,3235 7925,3235 8095,3235 5120,3405 5290,3405 5460,3405 5630,3405 5800,3405 6140,3405 6310,3405 6990,3405 7840,3405 8010,3405 7607,4073
  other v3: 7187,4450
HFXTAL_N: Q1.10 TP2.1 X1.3 | length 226.4
  Top Layer w6: TP2.1@6850,4023 6850.62,4023.62 6938.42,4023.62 6944.51,4029.71 6944.51,4036.91 6950.6,4043 7001.19,4043 7037.19,4007 Q1.10@7049,4007
HFXTAL_P: Q1.11 TP3.1 X1.1 | length 239.8
  Top Layer w6: TP3.1@6861,4081 6918.9,4081 X1.1@6922.9,4077 6945.4,4077 6951.05,4082.65 6951.05,4089.85 6956.7,4095.5 7005.25,4095.5 7023.5,4077.25 7023.5,4040.37 7035.07,4028.8 Q1.11@7037.19,4026.69
I2C_EXPANDER_RESET: C27.1 Q3.1 Q4.1 R34.2 R35.2 S2.3 S2.4 | length 3851.6
  Top Layer w6: R34.2@5975.5,4030 6116.12,3889.38 6249.87,3889.38 6351.71,3787.54 6351.71,3411.19 6427.95,3334.95 ; Q4.1@6193.5,4110.53 6200.19,4110.53 6212.25,4098.47 6235.03,4098.47 6264.38,4069.12 6264.38,3904.17 6443.22,3725.33 6443.22,3692.3 6448.13,3687.39 6448.13,3664.61 6443.22,3659.7 6443.22,3534.5 6501.39,3476.34 6662.17,3476.34 R35.2@6664,3474.5 6704.49,3474.5 6704.49,3472.57 6716,3461.06 v2(6716,3457) ; v2(6383,2484) 6383,2394.55 S2.3@6385.42,2392.13 ; v2(6387,3348) 6388.47,3348 6401.53,3334.95 6427.95,3334.95 ; v2(6680,3367) 6679.48,3367 6665.95,3380.53 Q3.1@6580.5,3380.53 6573.8,3380.53 6561.69,3368.41 6561.69,3321.7 6553.3,3313.31 6487.2,3313.31 6483.24,3309.35 6453.54,3309.35 6427.95,3334.95
  Top Layer w20: C27.1@6298,2031.45 6383,2031.45 S2.4@6385.42,2033.87 S2.3@6385.42,2392.13
  Bottom Layer w6: v2(6383,2484) 6383,2485 6387,2489 v2(6387,3348) ; v2(6680,3367) 6716,3403 v2(6716,3457)
IO_COL_P0: Q4.2 R16.1 SW2.2 SW9.2 SW16.2 SW23.2 SW30.2 | length 10473.4
  Top Layer w6: v2(1524,2277) 1526,2279 1526,2424 v2(1528,2426) ; v2(1618,1775) 1620.87,1777.87 1626.36,1777.87 1627,1778.51 v2(1627,1899) ; v2(1735,3245) 1777.5,3287.5 1777.5,3619.5 ; v2(1819,3578) 1777.5,3619.5 ; v1(6017,4224.31) 5957.37,4283.94 3331.74,4283.94 3272.12,4224.31 965.67,4224.31 873.28,4131.92 873.28,4078.22 R16.1@898,4053.5 898,3775.08 912.08,3761 1636,3761 1777.5,3619.5 ; Q4.2@6193.5,4090.84 6200.19,4090.84 6209.87,4081.16 6227.59,4081.16 v1(6227.78,4080.97)
  Bottom Layer w6: v2(1524,2277) 1526,2277 1641.94,2161.06 SW16.2@1641.94,2071.79 1641.94,1908.94 1632,1899 v2(1627,1899) ; v2(1528,2426) 1600,2426 1636.94,2462.94 SW23.2@1636.94,2826 1637.92,2826 1684.13,2872.21 1684.13,2873.2 1735,2924.06 v2(1735,3245) ; v2(1618,1775) 1618,1345.55 SW9.2@1641.51,1322.04 1642.5,1322.04 1688.71,1275.83 1688.71,1274.85 1829.01,1134.54 SW2.2@1829.01,572.04 ; SW30.2@1644,3565 1633.94,3575.06 SW30.2@1633.94,3578 v2(1819,3578) ; v1(6017,4224.31) 6017,4203.42 6080.92,4139.5 6169.25,4139.5 v1(6227.78,4080.97)
IO_COL_P1: Q4.3 R19.1 SW3.2 SW10.2 SW17.2 SW24.2 SW31.2 | length 9832.1
  Top Layer w6: v1(1900,4025) 1822.5,4025 R19.1@1819,4028.5 1819,3782.08 2028.08,3573 2029.06,3573 1991,3534.94 1991,3303 v1(1966.94,3278.94) ; v1(1952.48,4122) 1988.48,4158 5306.89,4158 v1(5307.27,4157.62) ; v2(2486,2450) 2486,2470 v2(2542,2526) ; v2(2558,3280) 2560,3282 2560,3286 2564,3290 v2(2564,3346) ; v2(2622,963) 2622,975 v2(2661,1014) ; v2(2689,1291) 2690,1292 2690,1520 v2(2721,1551) ; Q4.3@6193.5,4071.16 6212.84,4071.16 v1(6243,4041)
  Bottom Layer w6: v1(1900,4025) 1900,4069.52 v1(1952.48,4122) ; v1(1966.94,3278.94) 1991,3254.88 1991,3094 2092.94,2992.06 2406.9,2992.06 SW24.2@2558,2840.95 ; v2(2486,2450) 2486,2165.06 2531.82,2119.25 2531.82,2118.26 2578.03,2072.05 SW17.2@2579.02,2072.05 2579.02,1692.98 v2(2721,1551) ; v2(2542,2526) 2542,2521.94 2550.27,2513.67 2550.27,2508.73 2554.51,2504.49 2559.49,2504.49 2573.94,2518.94 SW24.2@2573.94,2826 ; v2(2558,3280) SW24.2@2558,2840.95 ; v2(2564,3346) 2566.94,3348.94 SW31.2@2566.94,3573 ; SW24.2@2572.95,2826 SW24.2@2558,2840.95 ; SW3.2@2579.02,572.04 2622,615.02 v2(2622,963) ; v2(2661,1014) 2576,1014 2569.49,1020.51 2569.49,1025.49 2579.02,1035.02 SW10.2@2579.02,1322.04 2657.96,1322.04 v2(2689,1291) ; v1(5307.27,4157.62) 5309.15,4159.5 5858,4159.5 5888,4129.5 6154.5,4129.5 v1(6243,4041)
IO_COL_P2: Q4.4 R20.1 SW4.2 SW11.2 SW18.2 SW25.2 SW32.2 | length 11702.8
  Top Layer w6: v1(2622,3973) 2621.5,3973 R20.1@2582,4012.5 2582,3904.98 2783.09,3703.89 2784.07,3703.89 2784.07,3481.07 v1(2738,3435) ; v1(2653,4247) 2699.94,4293.94 5983.06,4293.94 v1(6022,4255) ; v1(2730,1009) 2730,1008.85 2740.87,997.99 2740.87,746.21 2784.04,703.04 3086.08,703.04 3198.12,591 v2(3294,591) ; v1(2730,1193) 2730,1197.06 2736.88,1203.93 2736.88,1407.66 2783.09,1453.88 2784.07,1453.88 2741,1496.95 v1(2741,1775.5) ; v1(2738,3292) 2738,3001.06 2786.06,2953 2786.06,2730.06 v1(2741,2685) ; v1(2741,1938) 2791.15,1988.15 2791.15,2197.05 2746,2242.2 v1(2746,2539) ; Q4.4@6193.5,4051.47 6200.19,4051.47 6224.5,4027.16 6224.5,4005.5 v1(6242,3988)
  Bottom Layer w6: v1(2622,3973) 2653,4004 v1(2653,4247) ; v1(2730,1009) 2730,1165 ; v1(2730,1193) 2730,1165 ; v1(2738,3292) v1(2738,3435) 3125,3822 3251,3822 3274.75,3798.25 3274.75,3750.11 3320.96,3703.89 SW32.2@3321.95,3703.89 3321.95,3600.02 3098.93,3377 3098.93,3319.34 3128.48,3289.8 3200.95,3289.8 3320.94,3169.81 SW25.2@3320.94,2956 ; v1(2741,1775.5) v1(2741,1938) 2803.72,2000.72 3131.7,2000.72 3328.04,2197.05 SW18.2@3329.02,2197.05 ; v1(2741,2685) 2741,2680.94 2746,2675.94 v1(2746,2539) ; v2(3294,591) 3294,667.85 SW4.2@3324.94,698.79 ; SW11.2@3321.95,1453.88 3275.73,1407.66 3250.21,1407.66 3100.09,1257.54 2822.54,1257.54 2730,1165 ; v1(6022,4255) 6053.53,4223.47 6053.53,4181.03 6085.06,4149.5 6184,4149.5 6260.5,4073 6260.5,4006.5 v1(6242,3988)
IO_COL_P3: Q4.5 R21.1 SW5.2 SW12.2 SW19.2 SW26.2 SW33.2 | length 10180.8
  Top Layer w6: v1(3520,1849) 3541.15,1870.15 3541.15,2259.95 3568.36,2287.16 v1(3568.36,2668.5) ; v1(3523,1786) 3523,1524.06 3536.06,1511 3536.06,1495 ; v1(3553,1252) 3536.06,1268.94 3536.06,1495 ; v1(3556,3394) 3556,3032.26 3554,3030.26 3554,2991.38 ; v1(3556,3454) 3541.15,3468.85 3541.15,3759.91 3534.06,3767 3533.08,3767 3427,3873.08 R21.1@3427,4024.5 3450.2,4047.71 4541.25,4047.71 4596.73,3992.22 5303.23,3992.22 5382.15,3913.3 5472,3913.3 5606.41,3778.9 5606.41,3726.35 5740.81,3591.94 5947.6,3591.94 5949.66,3591.95 5951.64,3593 6019.06,3660.42 6019.06,3785.36 5975.52,3828.89 5969.06,3828.89 5950.78,3847.17 5950.78,4045.43 5960.07,4054.72 5990.92,4054.72 6062.62,3983.02 6062.62,3971.07 6134.32,3899.38 6159.68,3899.38 6177.62,3917.32 6177.62,3960.96 6166.53,3972.05 Q4.5@6166.53,4024.5 ; v1(3559,1103) 3803,1103 v2(4034,872) ; v1(3568,2729) 3568,2977.38 3554,2991.38 ; v2(3989,1884) 3992,1884 4041,1933 v2(4041,2078) ; v2(4026,1615) 3839,1615 3719,1495 3536.06,1495 ; v2(4036,3141) 3573.37,3010.76 3571.62,3009 3554,2991.38
  Bottom Layer w6: v1(3520,1849) 3520,1844.94 3523,1841.94 v1(3523,1786) ; v1(3553,1252) 3553,1247.94 3559,1241.94 v1(3559,1103) ; v1(3556,3394) v1(3556,3454) 3558.87,3456.87 3558.87,3469.62 3660.7,3571.45 3849.08,3571.45 3999.2,3721.57 4024.72,3721.57 SW33.2@4070.94,3767.79 ; v1(3568,2729) 3568.18,2728.82 3568.18,2668.68 v1(3568.36,2668.5) ; v2(3989,1884) 4024.31,1848.69 4036.06,1848.69 4068.5,1816.25 4068.5,1657.5 v2(4026,1615) 4073.94,1567.06 SW12.2@4073.94,1511 ; 4018,2966.06 4020.74,2968.8 4020.74,2969.79 4066.95,3016 SW26.2@4067.94,3016 4067.94,3109.06 v2(4036,3141) ; v2(4034,872) 4034,805.94 SW5.2@4076.94,763 ; v2(4041,2078) 4045,2078 4079.03,2112.03 SW19.2@4079.03,2259.95